# Altium PCB Layout.PcbDoc (part 2 of 3)
Units mm, origin at the board's own origin, x right, y up, seen from the top; angles counter-clockwise.
Board outline 143.51 x 102.23 mm, 2 copper layers (Top Layer, Bottom Layer); 183 components, 85 nets, 583 pads, 860 vias.
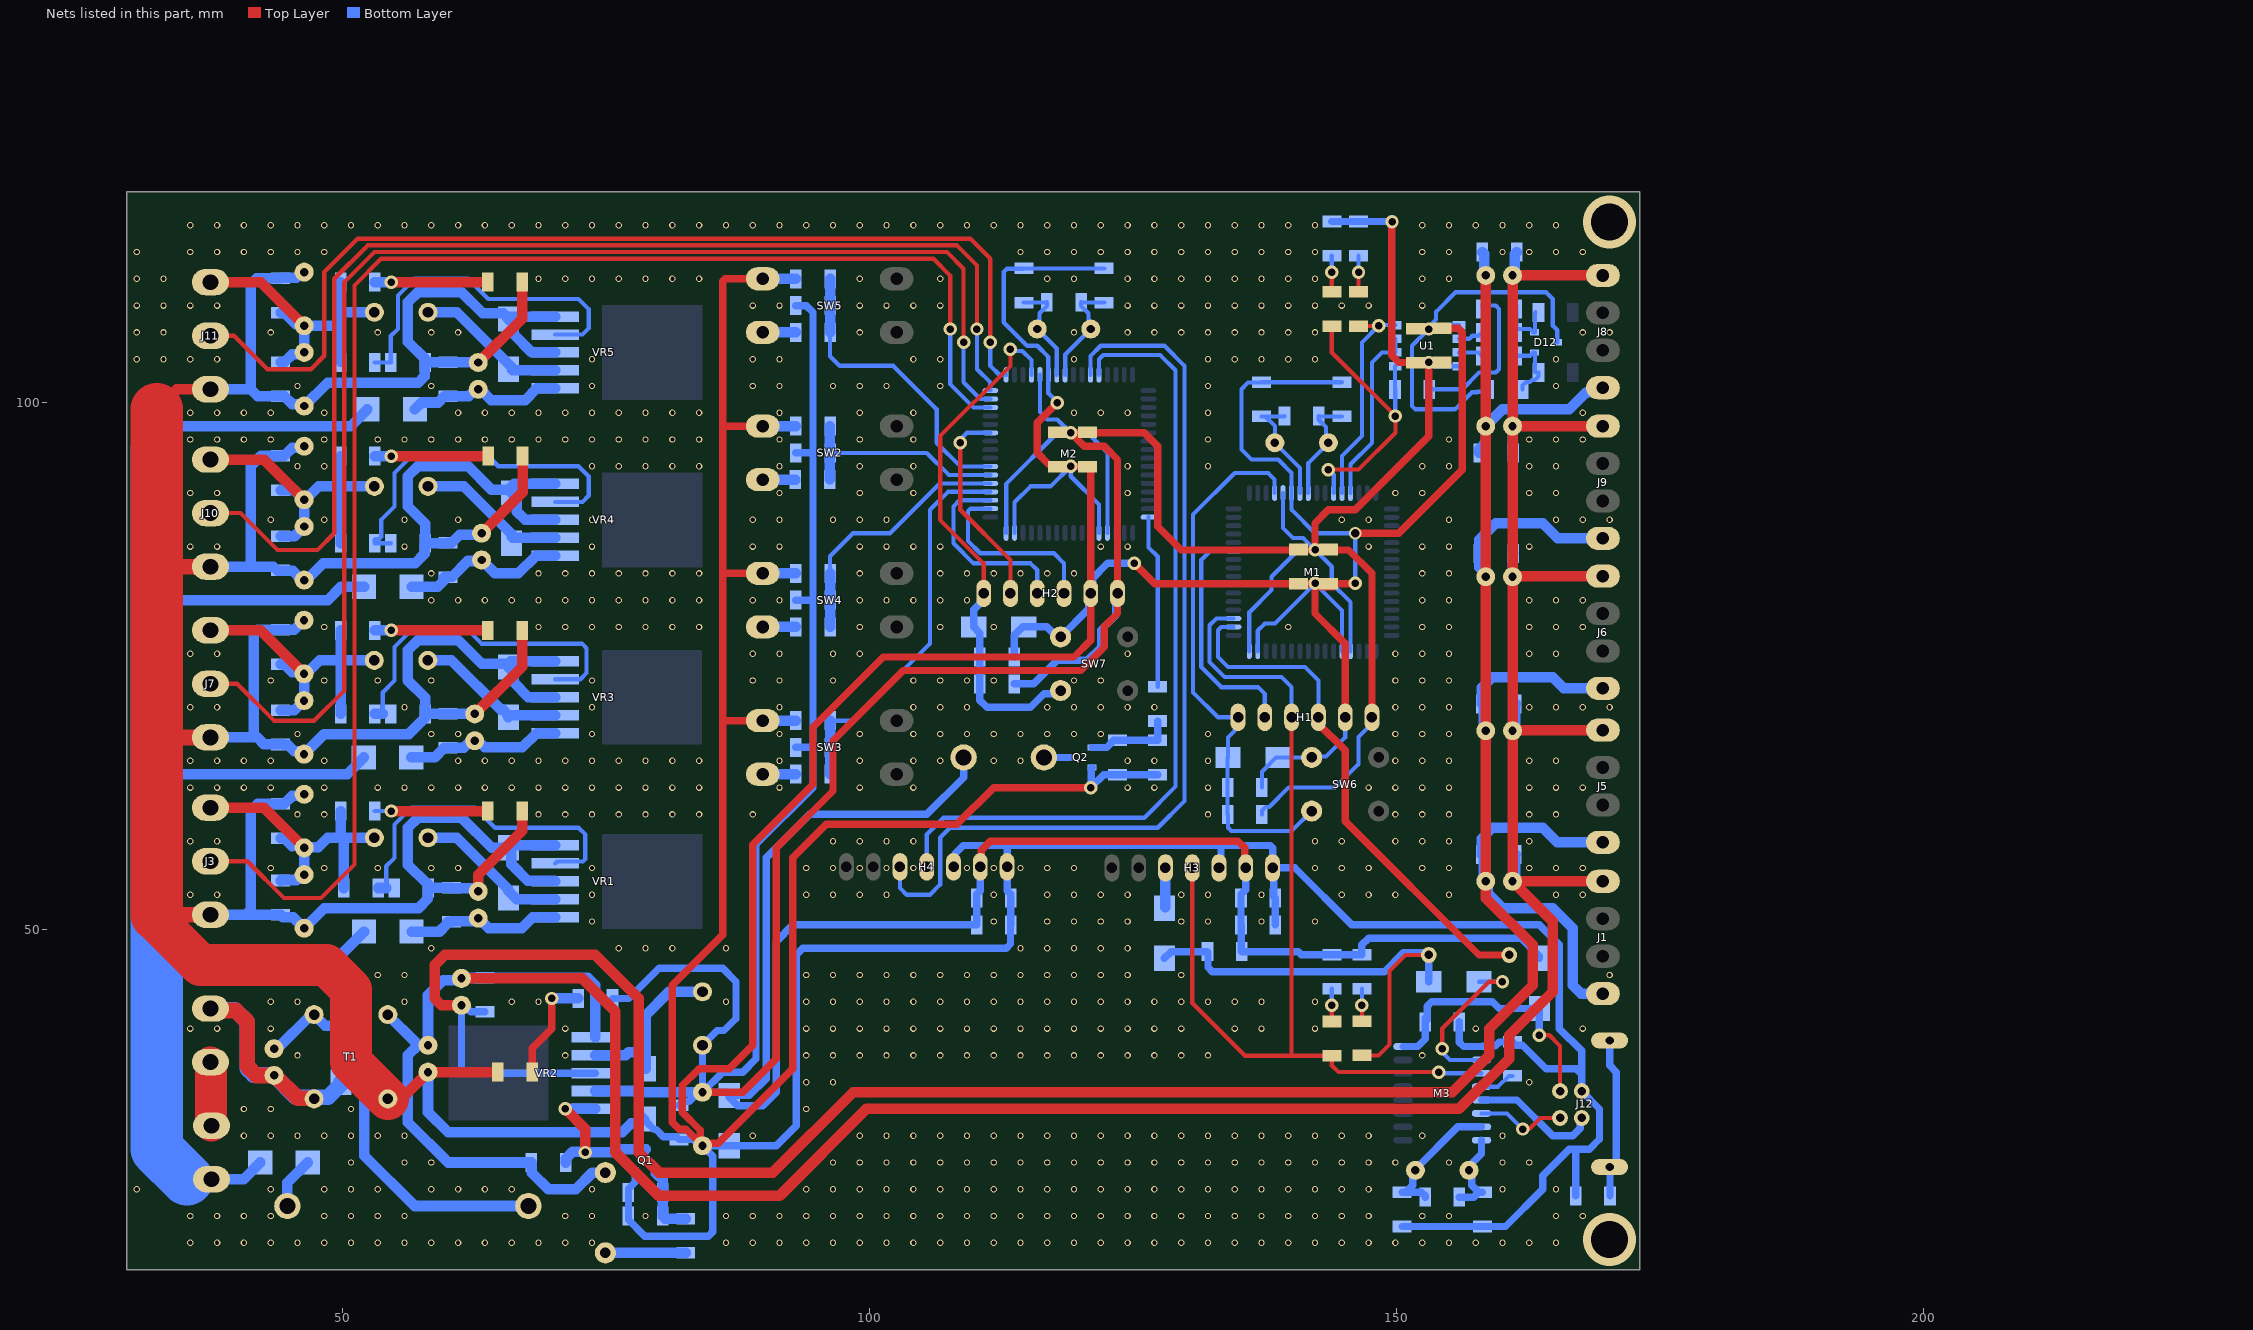
[diagram p2: the nets of this part, all layers, seen from the top]

## Via types
v1: diameter 0.6, hole 0.4, Top Layer to Bottom Layer, tented both sides, 819 vias
v2: diameter 1.27, hole 0.711, Top Layer to Bottom Layer, 28 vias
v3: diameter 1.27, hole 0.711, Top Layer to Bottom Layer, tented both sides, 8 vias
v4: diameter 5, hole 3.5, Top Layer to Bottom Layer, 4 vias
v5: diameter 1.2, hole 0.8, Top Layer to Bottom Layer, tented top, 1 vias

## Nets (pads, with @x,y where several pads share a name; then routed paths per layer and width w, separated by ;. In a path a pad name is that pad's centre, name@x,y a point inside that pad or via, vN(x,y) a via of type N, cw(c..) or ccw(c..) an arc to the next point about the centre after c; other vN are vias at no path point) (continued)
GND: C1.2 C2.1 C3.1 C4.1 C5.2 C6.1 C7.2 C8.2 C9.2 C10.1 C11.1 C12.1 C14.1 C15.2 C16.1 C17.2 C18.1 C19.1 C20.2 C21.1 C22.2 C23.1 C24.2 C25.2 C26.1 C27.1 C28.1 C29.2 C30.1 C31.2 C32.1 C33.2 C34.1 C35.1 C36.1 C37.2 C38.2 C39.1 C40.1 C41.1 C42.1 C43.1 C44.1 C45.1 C46.1 C47.1 C48.1 C49.1 C50.1 C51.2 C52.1 C53.1 C54.1 C55.2 C56.2 C57.1 C58.1 C59.1 C60.1 C61.1 C62.1 C63.1 C64.1 C65.1 C66.1 C67.1 D1.2 D6.2 D8.1 D9.1 D10.1 D12.1 D13.2 D15.1 D16.2 D18.1 D20.1 D21.2 D23.1 D24.1 H1.2 H2.2 H3.1 H3.3 H4.1 H4.3 J1.1 J3.1 J5.1 J6.1 J7.1 J8.1 J9.1 J10.1 J11.1 J12.4 M1.22 M1.53 M1.63 M2.22 M2.53 M2.63 M3.1 Q1.3 Q2.3 R6.2 R9.1 R16.2 R20.1 R21.1 R28.1 R40.1 SW2.1 SW3.1 SW4.1 SW5.1 SW6.1 SW7.1 T1.4 U1.5 VR1.3 VR1.5 VR2.3 VR3.3 VR3.5 VR4.3 VR4.5 VR5.3 VR5.5 | length 1519.4
  Top Layer w0.7: SW3.1@89.852,69.85 86.042,69.85 ; SW4.1@89.852,83.82 86.042,83.82 ; SW2.1@89.852,97.79 86.16,97.79 86.042,97.673 ; SW5.1@89.852,111.76 86.277,111.76 86.042,111.526 86.042,97.673 ; C52.1@117.792,93.943 117.593,94.143 116.995,94.143 115.887,95.25 115.887,98.108 v3(117.792,100.013) ; v3(119.062,93.98) 119.081,93.961 120.631,93.961 C53.1@120.65,93.943 120.968,93.625 H2.2@120.968,82.867 ; v2(120.968,63.5) 111.76,63.5 108.267,60.008 95.885,60.008 92.71,56.832 92.71,36.83 85.637,29.757 84.367,29.757 C15.2@84.138,29.527 C15.2@83.908,29.757 ; H2.2@120.968,81.915 120.968,77.47 119.38,75.882 101.282,75.882 94.615,69.215 94.615,63.817 88.9,58.102 88.9,39.052 86.677,36.83 83.82,36.83 82.233,35.242 82.233,32.703 83.908,31.027 C15.2@83.908,29.757 ; v2(125.095,84.772) 127.037,82.83 142.24,82.83 142.24,80.01 145.097,77.153 H1.2@145.097,70.168 ; v2(142.24,82.867) 142.475,82.867 142.793,82.55 143.986,82.55 143.986,82.644 144.191,82.849 146.031,82.849 v2(146.05,82.867) ; v5(146.05,87.63) 150.177,87.63 156.21,93.662 156.21,106.68 155.818,107.072 C3.1@154.305,107.072 154.268,107.035 153.072,107.035 v2(153.035,106.998) ; C15.2@83.908,29.757 82.575,31.09 81.94,31.09 81.28,31.75 81.28,44.767 86.042,49.53 86.042,69.85 ; 86.042,69.85 86.042,83.82 ; 86.042,83.82 86.042,97.673
  Top Layer w1: 32.385,49.212 32.385,51.435 ; 32.385,99.377 34.29,101.282 J11.1@37.465,101.282 ; T1.4@54.293,33.973 54.523,34.203 55.793,34.203 C10.1@58.102,36.512 D6.2@64.733,36.512 ; C7.2@61.277,42.862 59.372,42.862 58.737,43.497 58.737,46.672 59.69,47.625 73.977,47.625 78.105,43.497 78.105,28.892 80.01,26.987 90.805,26.987 98.425,34.608 155.257,34.608 158.75,38.1 158.75,40.64 162.877,44.767 162.877,48.578 158.433,53.023 C17.2@158.433,54.61 C29.2@158.433,68.897 C31.2@158.433,83.502 C1.2@158.433,97.79 C20.2@158.433,112.078 ; C22.2@62.535,70.485 67.03,74.98 D13.2@67.03,78.422 ; C5.2@62.865,53.657 62.865,55.245 67.03,59.41 D1.2@67.03,61.277 ; C51.2@62.865,103.822 67.03,107.987 D21.2@67.03,111.442 ; C33.2@63.182,87.63 67.067,91.515 D16.2@67.067,94.932
  Top Layer w1.5: 32.385,51.435 J3.1@37.465,51.435 ; 32.385,68.263 J7.1@37.465,68.263 ; 32.385,84.455 J10.1@37.465,84.455
  Top Layer w4: 32.385,50.8 36.512,46.672 48.457,46.672 50.8,44.329 50.8,37.465 T1.4@54.293,33.973
  Top Layer w5: 32.385,51.435 32.385,68.263 32.385,84.455 32.385,99.377
  Bottom Layer w0.4: M2.63@113.743,87.655 113.743,90.565 115.252,92.075 117.157,92.075 v3(119.062,93.98) 119.062,93.027 121.743,90.347 M2.53@121.743,87.655 ; v3(117.792,100.013) 117.792,100.059 116.943,100.909 M2.22@116.943,102.655 116.943,104.355 115.887,105.41 114.935,105.41 112.712,107.632 112.712,112.395 113.03,112.712 114.58,112.712 C59.1@114.617,112.75 C60.1@122.237,112.75 ; M1.63@136.805,76.44 136.805,78.385 137.477,79.057 138.43,79.057 v2@142.097,82.724 ; C45.1@137.197,63.5 137.197,65.007 138.548,66.358 D20.1@138.748,66.358 SW6.1@141.922,66.358 142.018,66.453 143.288,66.453 145.097,68.263 H1.2@145.097,70.168 ; v2(142.24,82.867) 144.805,80.303 M1.53@144.805,76.44 ; C49.1@144.78,101.955 C48.1@137.16,101.955 137.123,101.917 135.89,101.917 135.255,101.282 135.255,95.567 136.207,94.615 138.748,94.615 140.005,93.357 M1.22@140.005,91.44 140.005,89.865 142.24,87.63 v5(146.05,87.63) v2(146.05,82.867) ; U1.5@155.892,107.375 153.412,107.375 v2(153.035,106.998) ; R6.2@158.321,101.039 157.648,101.039 157.611,101.002 157.125,101.002 155.5,99.377 151.765,99.377 151.447,99.695 151.447,105.41 v2(153.035,106.998) ; D12.1@165.222,105.727 165.222,106.875 164.782,107.315 164.782,109.855 164.147,110.49 155.575,110.49 153.712,108.627 153.712,107.91 153.035,107.233 v2(153.035,106.998)
  Bottom Layer w0.7: C10.1@58.127,36.537 59.808,36.537 59.925,36.42 61.277,36.42 ; C14.1@63.5,42.227 62.159,42.227 61.524,42.862 C7.2@61.277,42.862 61.277,36.42 ; VR2.3@73.977,36.42 61.277,36.42 ; Q1.3@77.79,27.06 77.74,27.01 77.74,26.057 77.115,25.432 R16.2@77.115,25.082 C19.1@77.115,22.86 77.115,22.51 78.67,20.955 84.705,20.955 85.115,21.365 85.115,28.55 C15.2@84.138,29.527 ; D9.1@78.009,31.654 D9.1@78.422,32.067 ; D9.1@78.422,32.385 D9.1@78.74,32.067 78.74,31.868 79.54,31.067 79.74,31.067 80.415,30.392 81.648,30.392 C16.1@81.915,30.125 83.256,30.125 83.854,29.527 C15.2@84.138,29.527 ; H4.3@107.95,55.98 108.084,56.114 108.084,57.229 108.857,58.003 113.03,58.003 ; C50.1@113.702,75.882 113.702,77.94 114.502,78.74 D23.1@114.617,78.74 116.8,78.74 117.752,77.787 SW7.1@118.11,77.787 120.783,80.461 120.783,81.731 H2.2@120.968,81.915 121.152,82.099 121.152,83.369 122.555,84.772 v2(125.095,84.772) ; v2(120.968,63.5) v2@121.029,63.561 ; Q2.3@121.09,65.407 121.029,65.346 v2@121.029,63.561 ; C26.1@127.317,64.733 R20.1@123.507,64.733 122.2,64.733 v2@121.029,63.561 ; H3.3@133.132,55.88 133.324,56.071 133.324,58.002 ; C62.1@138.468,50.482 C61.1@138.468,53.023 138.34,53.15 138.34,55.752 H3.1@138.212,55.88 ; C65.1@150.495,21.87 C66.1@158.115,21.87 160.3,21.87 163.83,25.4 163.83,26.67 166.37,29.21 167.005,29.21 ; C63.1@155.93,41.275 155.93,39.333 156.319,38.944 M3.1@158.03,38.944 158.078,38.992 159.324,38.992 159.707,39.374 160.939,39.374 C64.1@160.972,39.407 161.323,39.057 161.92,39.057 164.148,36.83 167.005,36.83 167.53,36.305 ; C67.1@166.968,24.765 166.968,29.173 167.005,29.21 ; C15.2@84.138,29.527 D10.1@86.677,29.527 91.123,29.527 93.027,31.432 93.027,47.625 93.662,48.26 112.942,48.26 113.352,48.67 113.352,50.449 C42.1@113.385,50.482 C41.1@113.385,53.023 113.385,53.372 113.03,53.727 H4.1@113.03,55.98 113.03,58.003 ; 113.03,58.003 133.324,58.003 ; 133.324,58.003 137.978,58.003 138.212,57.768 H3.1@138.212,55.88 ; H3.1@138.212,55.88 140.335,55.88 145.732,50.482 163.512,50.482 165.417,48.578 165.417,40.64 167.53,38.528 167.53,36.305 ; 167.005,29.21 168.275,29.21 169.227,30.162 169.227,33.016 J12.4@167.53,34.714 167.53,36.305
  Bottom Layer w1: J3.1@37.465,51.435 40.799,51.435 ; J7.1@37.465,68.263 41.275,68.263 ; J10.1@37.465,84.455 41.275,84.455 ; J11.1@37.465,101.282 41.275,101.282 ; C24.2@46.342,79.375 45.427,78.46 C28.1@44.133,78.46 41.948,78.46 41.593,78.105 41.593,68.58 41.275,68.263 ; C8.2@46.355,62.865 46.202,62.712 45.244,62.712 44.482,61.95 C12.1@44.133,61.95 41.948,61.95 41.275,61.277 41.275,51.911 40.799,51.435 ; C37.2@46.355,95.885 46.202,95.732 45.244,95.732 44.482,94.97 C40.1@44.133,94.97 42.265,94.97 41.275,93.98 41.275,84.455 ; C56.2@46.355,112.395 46.139,112.395 45.591,111.848 44.182,111.848 C58.1@44.133,111.798 41.861,111.798 41.275,111.212 41.275,101.282 ; R40.1@57.841,103.841 62.846,103.841 C51.2@62.865,103.822 ; C10.1@58.102,36.512 58.102,32.703 60.008,30.797 76.517,30.797 77.374,31.654 D9.1@78.009,31.654 ; C22.2@62.535,70.485 R21.1@57.822,70.485 ; C5.2@62.865,53.657 62.649,53.657 62.344,53.962 60.375,53.962 C6.1@60.325,54.012 60.306,53.994 58.159,53.994 R9.1@58.14,53.975 ; C33.2@63.182,87.63 63.029,87.477 61.119,87.477 60.357,86.715 C36.1@60.008,86.715 59.989,86.696 57.841,86.696 R28.1@57.822,86.677 ; D15.1@65.722,74.93 66.222,74.43 66.222,73.478 67.627,72.072 VR3.3@70.155,72.072 ; D18.1@66.04,91.44 65.713,91.767 64.126,91.767 61.912,93.98 57.15,93.98 56.197,93.027 56.197,90.17 57.822,88.545 R28.1@57.822,86.677 ; VR3.5@70.155,75.472 65.947,75.472 65.722,75.248 63.182,75.248 60.96,77.47 57.15,77.47 56.197,76.517 56.197,73.66 57.822,72.035 R21.1@57.822,70.485 ; VR4.3@70.168,88.9 67.31,88.9 66.54,89.67 66.54,91.575 66.04,92.075 66.265,92.3 VR4.5@70.168,92.3 ; VR1.3@70.175,54.61 70.107,54.678 67.559,54.678 66.018,56.219 66.018,57.489 D8.1@65.722,57.785 ; VR1.5@70.175,58.01 65.947,58.01 D8.1@65.722,57.785 ; VR5.3@70.175,104.775 67.945,104.775 66.222,106.498 66.222,107.45 D24.1@65.722,107.95 ; VR5.5@70.175,108.175 65.947,108.175 D24.1@65.722,107.95 ; SW3.1@89.852,69.85 C35.1@92.99,69.85 ; SW4.1@89.852,83.82 C43.1@92.99,83.82 ; SW2.1@89.852,97.79 C34.1@92.99,97.79 ; SW5.1@89.852,111.76 C44.1@92.99,111.76 ; C32.1@157.797,95.25 157.797,95.6 158.433,96.235 C1.2@158.433,97.79 160.02,99.377 166.37,99.377 167.93,100.938 168.068,100.938 168.558,101.428 J8.1@169.545,101.428 ; C21.1@158.115,114.3 158.274,114.141 158.274,112.236 C20.2@158.433,112.078 ; C29.2@158.433,68.897 158.236,69.094 158.236,71.241 C18.1@158.04,71.438 158.04,72.95 159.067,73.977 164.782,73.977 165.85,72.91 J6.1@169.545,72.91 ; C31.2@158.433,83.502 158.433,83.749 157.797,84.384 C30.1@157.797,85.725 157.797,86.995 159.385,88.582 163.83,88.582 165.272,87.14 J9.1@169.545,87.14 ; J1.1@169.545,43.96 167.495,43.96 166.688,44.767 166.688,50.165 164.782,52.07 160.02,52.07 158.617,53.473 158.617,54.426 158.236,54.806 158.236,56.954 C4.1@158.04,57.15 158.04,58.663 159.067,59.69 163.83,59.69 165.215,58.305 J5.1@169.545,58.305 ; 40.799,51.435 C11.1@44.133,51.435 44.347,51.221 45.299,51.221 C9.2@46.355,50.165 48.26,52.07 57.199,52.07 58.09,52.961 58.09,53.925 R9.1@58.14,53.975 ; 41.275,68.263 41.91,68.263 42.545,67.627 44.362,67.627 44.437,67.553 44.787,67.553 45.397,66.943 46.074,66.943 C25.2@46.342,66.675 48.247,68.58 56.267,68.58 57.772,70.085 57.772,70.435 R21.1@57.822,70.485 ; 41.275,84.455 43.428,84.455 43.833,84.05 45.274,84.05 46.139,83.185 C38.2@46.355,83.185 46.571,83.185 48.159,84.772 56.882,84.772 57.772,85.663 57.772,86.628 R28.1@57.822,86.677 ; 41.275,101.282 41.947,100.61 C57.1@44.133,100.61 44.482,100.61 45.244,99.848 46.202,99.848 C55.2@46.355,99.695 48.578,101.917 57.187,101.917 57.772,102.503 57.772,104.222 56.197,105.797 56.197,109.537 57.15,110.49 61.277,110.49 63.292,108.476 65.223,108.476 65.722,107.976 D24.1@65.722,107.95 ; R9.1@58.14,53.975 58.14,54.325 58.09,54.375 58.02,54.375 56.197,56.197 56.197,59.69 57.15,60.642 61.277,60.642 64.135,57.785 D8.1@65.722,57.785
  other v1: 35.56,20.32 38.1,20.32 40.64,20.32 43.18,20.32 45.72,20.32 48.26,20.32 50.8,20.32 53.34,20.32 55.88,20.32 58.42,20.32 60.96,20.32 63.5,20.32 66.04,20.32 68.58,20.32 71.12,20.32 73.66,20.32 86.36,20.32 88.9,20.32 91.44,20.32 93.98,20.32 96.52,20.32 99.06,20.32 101.6,20.32 104.14,20.32 106.68,20.32 109.22,20.32 111.76,20.32 114.3,20.32 116.84,20.32 119.38,20.32 121.92,20.32 124.46,20.32 127,20.32 129.54,20.32 132.08,20.32 134.62,20.32 137.16,20.32 139.7,20.32 142.24,20.32 144.78,20.32 147.32,20.32 149.86,20.32 152.4,20.32 154.94,20.32 157.48,20.32 160.02,20.32 162.56,20.32 165.1,20.32 35.56,22.86 38.1,22.86 40.64,22.86 43.18,22.86 48.26,22.86 50.8,22.86 53.34,22.86 55.88,22.86 71.12,22.86 73.66,22.86 78.74,22.86 86.36,22.86 88.9,22.86 91.44,22.86 93.98,22.86 96.52,22.86 99.06,22.86 101.6,22.86 104.14,22.86 106.68,22.86 109.22,22.86 111.76,22.86 114.3,22.86 116.84,22.86 119.38,22.86 121.92,22.86 124.46,22.86 127,22.86 129.54,22.86 132.08,22.86 134.62,22.86 137.16,22.86 139.7,22.86 142.24,22.86 144.78,22.86 147.32,22.86 152.4,22.86 154.94,22.86 165.1,22.86 167.64,22.86 30.48,25.4 43.18,25.4 48.26,25.4 50.8,25.4 53.34,25.4 58.42,25.4 60.96,25.4 63.5,25.4 66.04,25.4 73.66,25.4 93.98,25.4 96.52,25.4 99.06,25.4 101.6,25.4 104.14,25.4 106.68,25.4 109.22,25.4 111.76,25.4 114.3,25.4 116.84,25.4 119.38,25.4 121.92,25.4 124.46,25.4 127,25.4 129.54,25.4 132.08,25.4 134.62,25.4 137.16,25.4 139.7,25.4 142.24,25.4 144.78,25.4 147.32,25.4 160.02,25.4 165.1,25.4 50.8,27.94 55.88,27.94 58.42,27.94 96.52,27.94 99.06,27.94 101.6,27.94 104.14,27.94 106.68,27.94 109.22,27.94 111.76,27.94 114.3,27.94 116.84,27.94 119.38,27.94 121.92,27.94 124.46,27.94 127,27.94 129.54,27.94 132.08,27.94 134.62,27.94 137.16,27.94 139.7,27.94 142.24,27.94 144.78,27.94 147.32,27.94 149.86,27.94 154.94,27.94 160.02,27.94 162.56,27.94 40.64,30.48 43.18,30.48 45.72,30.48 48.26,30.48 50.8,30.48 53.34,30.48 55.88,30.48 88.9,30.48 99.06,30.48 101.6,30.48 104.14,30.48 106.68,30.48 109.22,30.48 111.76,30.48 114.3,30.48 116.84,30.48 119.38,30.48 121.92,30.48 124.46,30.48 127,30.48 129.54,30.48 132.08,30.48 134.62,30.48 137.16,30.48 139.7,30.48 142.24,30.48 144.78,30.48 147.32,30.48 152.4,30.48 160.02,30.48 40.64,33.02 43.18,33.02 50.8,33.02 93.98,33.02 93.98,35.56 96.52,35.56 162.56,35.56 45.72,38.1 71.12,38.1 93.98,38.1 96.52,38.1 99.06,38.1 101.6,38.1 104.14,38.1 106.68,38.1 109.22,38.1 111.76,38.1 114.3,38.1 116.84,38.1 119.38,38.1 121.92,38.1 124.46,38.1 127,38.1 129.54,38.1 132.08,38.1 152.4,38.1 35.56,40.64 38.1,40.64 43.18,40.64 71.12,40.64 93.98,40.64 96.52,40.64 99.06,40.64 101.6,40.64 104.14,40.64 106.68,40.64 109.22,40.64 111.76,40.64 114.3,40.64 116.84,40.64 119.38,40.64 121.92,40.64 124.46,40.64 127,40.64 129.54,40.64 134.62,40.64 137.16,40.64 142.24,40.64 157.48,40.64 167.64,40.64 43.18,43.18 45.72,43.18 55.88,43.18 66.04,43.18 68.58,43.18 86.36,43.18 93.98,43.18 96.52,43.18 99.06,43.18 101.6,43.18 104.14,43.18 106.68,43.18 109.22,43.18 111.76,43.18 114.3,43.18 116.84,43.18 119.38,43.18 121.92,43.18 124.46,43.18 127,43.18 129.54,43.18 132.08,43.18 134.62,43.18 137.16,43.18 142.24,43.18 53.34,45.72 55.88,45.72 93.98,45.72 96.52,45.72 99.06,45.72 101.6,45.72 104.14,45.72 106.68,45.72 109.22,45.72 111.76,45.72 114.3,45.72 116.84,45.72 119.38,45.72 121.92,45.72 124.46,45.72 129.54,45.72 170.18,45.72 58.42,48.26 76.2,48.26 78.74,48.26 81.28,48.26 86.36,48.26 114.3,48.26 116.84,48.26 119.38,48.26 121.92,48.26 124.46,48.26 73.66,50.8 111.76,50.8 116.84,50.8 119.38,50.8 121.92,50.8 124.46,50.8 129.54,50.8 132.08,50.8 137.16,50.8 142.24,50.8 35.56,53.34 38.1,53.34 73.66,53.34 93.98,53.34 96.52,53.34 99.06,53.34 101.6,53.34 111.76,53.34 116.84,53.34 119.38,53.34 121.92,53.34 124.46,53.34 129.54,53.34 132.08,53.34 137.16,53.34 144.78,53.34 147.32,53.34 149.86,53.34 154.94,53.34 165.1,53.34 167.64,53.34 43.18,55.88 48.26,55.88 53.34,55.88 58.42,55.88 60.96,55.88 73.66,55.88 93.98,55.88 96.52,55.88 99.06,55.88 101.6,55.88 104.14,55.88 109.22,55.88 111.76,55.88 114.3,55.88 116.84,55.88 119.38,55.88 142.24,55.88 144.78,55.88 147.32,55.88 152.4,55.88 154.94,55.88 162.56,55.88 165.1,55.88 167.64,55.88 35.56,58.42 38.1,58.42 96.52,58.42 99.06,58.42 101.6,58.42 104.14,58.42 142.24,58.42 144.78,58.42 149.86,58.42 152.4,58.42 154.94,58.42 162.56,58.42 45.72,60.96 48.26,60.96 68.58,60.96 71.12,60.96 73.66,60.96 76.2,60.96 78.74,60.96 81.28,60.96 83.82,60.96 88.9,60.96 132.08,60.96 149.86,60.96 152.4,60.96 154.94,60.96 162.56,60.96 165.1,60.96 35.56,63.5 38.1,63.5 40.64,63.5 43.18,63.5 48.26,63.5 53.34,63.5 55.88,63.5 58.42,63.5 60.96,63.5 63.5,63.5 66.04,63.5 68.58,63.5 71.12,63.5 73.66,63.5 76.2,63.5 78.74,63.5 81.28,63.5 83.82,63.5 91.44,63.5 99.06,63.5 104.14,63.5 124.46,63.5 127,63.5 132.08,63.5 147.32,63.5 149.86,63.5 152.4,63.5 154.94,63.5 162.56,63.5 165.1,63.5 167.64,63.5 35.56,66.04 38.1,66.04 40.64,66.04 43.18,66.04 48.26,66.04 60.96,66.04 63.5,66.04 66.04,66.04 68.58,66.04 71.12,66.04 73.66,66.04 76.2,66.04 78.74,66.04 81.28,66.04 83.82,66.04 91.44,66.04 99.06,66.04 104.14,66.04 106.68,66.04 111.76,66.04 114.3,66.04 124.46,66.04 127,66.04 132.08,66.04 149.86,66.04 152.4,66.04 154.94,66.04 162.56,66.04 165.1,66.04 45.72,68.58 58.42,68.58 60.96,68.58 73.66,68.58 91.44,68.58 99.06,68.58 104.14,68.58 106.68,68.58 109.22,68.58 111.76,68.58 114.3,68.58 116.84,68.58 119.38,68.58 121.92,68.58 132.08,68.58 149.86,68.58 152.4,68.58 154.94,68.58 35.56,71.12 38.1,71.12 55.88,71.12 73.66,71.12 91.44,71.12 104.14,71.12 106.68,71.12 109.22,71.12 116.84,71.12 119.38,71.12 121.92,71.12 124.46,71.12 127,71.12 149.86,71.12 152.4,71.12 154.94,71.12 162.56,71.12 165.1,71.12 167.64,71.12 170.18,71.12 43.18,73.66 48.26,73.66 53.34,73.66 58.42,73.66 73.66,73.66 88.9,73.66 91.44,73.66 96.52,73.66 104.14,73.66 106.68,73.66 109.22,73.66 111.76,73.66 119.38,73.66 121.92,73.66 149.86,73.66 152.4,73.66 154.94,73.66 35.56,76.2 38.1,76.2 88.9,76.2 91.44,76.2 96.52,76.2 99.06,76.2 124.46,76.2 149.86,76.2 152.4,76.2 154.94,76.2 162.56,76.2 165.1,76.2 48.26,78.74 68.58,78.74 71.12,78.74 73.66,78.74 76.2,78.74 78.74,78.74 81.28,78.74 83.82,78.74 99.06,78.74 106.68,78.74 111.76,78.74 139.7,78.74 152.4,78.74 154.94,78.74 162.56,78.74 165.1,78.74 167.64,78.74 58.42,81.28 60.96,81.28 63.5,81.28 66.04,81.28 68.58,81.28 71.12,81.28 73.66,81.28 76.2,81.28 78.74,81.28 81.28,81.28 83.82,81.28 88.9,81.28 91.44,81.28 99.06,81.28 101.6,81.28 104.14,81.28 106.68,81.28 109.22,81.28 152.4,81.28 154.94,81.28 162.56,81.28 165.1,81.28 167.64,81.28 58.42,83.82 68.58,83.82 71.12,83.82 73.66,83.82 76.2,83.82 78.74,83.82 81.28,83.82 83.82,83.82 99.06,83.82 106.68,83.82 109.22,83.82 111.76,83.82 114.3,83.82 116.84,83.82 119.38,83.82 152.4,83.82 154.94,83.82 35.56,86.36 38.1,86.36 55.88,86.36 73.66,86.36 88.9,86.36 91.44,86.36 99.06,86.36 101.6,86.36 104.14,86.36 106.68,86.36 121.92,86.36 124.46,86.36 147.32,86.36 152.4,86.36 154.94,86.36 162.56,86.36 43.18,88.9 48.26,88.9 55.88,88.9 60.96,88.9 73.66,88.9 88.9,88.9 91.44,88.9 96.52,88.9 99.06,88.9 101.6,88.9 144.78,88.9 147.32,88.9 154.94,88.9 165.1,88.9 167.64,88.9 170.18,88.9 35.56,91.44 38.1,91.44 91.44,91.44 99.06,91.44 104.14,91.44 124.46,91.44 149.86,91.44 152.4,91.44 162.56,91.44 165.1,91.44 45.72,93.98 48.26,93.98 73.66,93.98 76.2,93.98 78.74,93.98 81.28,93.98 83.82,93.98 91.44,93.98 99.06,93.98 104.14,93.98 124.46,93.98 132.08,93.98 152.4,93.98 154.94,93.98 162.56,93.98 165.1,93.98 35.56,96.52 38.1,96.52 40.64,96.52 43.18,96.52 48.26,96.52 53.34,96.52 55.88,96.52 58.42,96.52 60.96,96.52 63.5,96.52 66.04,96.52 68.58,96.52 71.12,96.52 73.66,96.52 76.2,96.52 78.74,96.52 81.28,96.52 83.82,96.52 91.44,96.52 99.06,96.52 104.14,96.52 132.08,96.52 154.94,96.52 162.56,96.52 165.1,96.52 167.64,96.52 35.56,99.06 38.1,99.06 40.64,99.06 43.18,99.06 48.26,99.06 60.96,99.06 63.5,99.06 66.04,99.06 68.58,99.06 71.12,99.06 73.66,99.06 76.2,99.06 78.74,99.06 81.28,99.06 83.82,99.06 91.44,99.06 99.06,99.06 104.14,99.06 119.38,99.06 121.92,99.06 124.46,99.06 132.08,99.06 167.64,99.06 45.72,101.6 58.42,101.6 73.66,101.6 88.9,101.6 91.44,101.6 96.52,101.6 99.06,101.6 101.6,101.6 106.68,101.6 132.08,101.6 165.1,101.6 30.48,104.14 33.02,104.14 35.56,104.14 38.1,104.14 73.66,104.14 88.9,104.14 91.44,104.14 104.14,104.14 106.68,104.14 119.38,104.14 132.08,104.14 134.62,104.14 137.16,104.14 139.7,104.14 142.24,104.14 165.1,104.14 30.48,106.68 33.02,106.68 43.18,106.68 53.34,106.68 58.42,106.68 60.96,106.68 99.06,106.68 119.38,106.68 124.46,106.68 127,106.68 129.54,106.68 132.08,106.68 134.62,106.68 137.16,106.68 139.7,106.68 142.24,106.68 167.64,106.68 170.18,106.68 30.48,109.22 33.02,109.22 35.56,109.22 38.1,109.22 88.9,109.22 91.44,109.22 99.06,109.22 101.6,109.22 104.14,109.22 106.68,109.22 124.46,109.22 127,109.22 129.54,109.22 132.08,109.22 134.62,109.22 137.16,109.22 139.7,109.22 142.24,109.22 144.78,109.22 147.32,109.22 152.4,109.22 30.48,111.76 33.02,111.76 68.58,111.76 71.12,111.76 73.66,111.76 76.2,111.76 78.74,111.76 81.28,111.76 83.82,111.76 99.06,111.76 106.68,111.76 116.84,111.76 119.38,111.76 124.46,111.76 127,111.76 129.54,111.76 132.08,111.76 134.62,111.76 137.16,111.76 139.7,111.76 142.24,111.76 152.4,111.76 154.94,111.76 30.48,114.3 35.56,114.3 38.1,114.3 40.64,114.3 43.18,114.3 45.72,114.3 48.26,114.3 114.3,114.3 116.84,114.3 119.38,114.3 121.92,114.3 124.46,114.3 127,114.3 129.54,114.3 132.08,114.3 134.62,114.3 137.16,114.3 139.7,114.3 142.24,114.3 152.4,114.3 154.94,114.3 160.02,114.3 162.56,114.3 165.1,114.3 167.64,114.3 35.56,116.84 38.1,116.84 40.64,116.84 43.18,116.84 45.72,116.84 48.26,116.84 50.8,116.84 53.34,116.84 55.88,116.84 58.42,116.84 60.96,116.84 63.5,116.84 66.04,116.84 68.58,116.84 71.12,116.84 73.66,116.84 76.2,116.84 78.74,116.84 81.28,116.84 83.82,116.84 86.36,116.84 88.9,116.84 91.44,116.84 93.98,116.84 96.52,116.84 99.06,116.84 101.6,116.84 104.14,116.84 106.68,116.84 109.22,116.84 111.76,116.84 114.3,116.84 116.84,116.84 119.38,116.84 121.92,116.84 124.46,116.84 127,116.84 129.54,116.84 132.08,116.84 134.62,116.84 137.16,116.84 139.7,116.84 142.24,116.84 152.4,116.84 154.94,116.84 157.48,116.84 160.02,116.84 162.56,116.84 165.1,116.84